# Altium PCB Copy of PCB.PcbDoc (part 2 of 2)
Units mil, origin at the board's own origin, x right, y up, seen from the top; angles counter-clockwise.
Board outline 6000 x 4000 mil, 4 copper layers (Top Layer, Power, GND, Bottom Layer), stack 23.756 mil thick; 200 components, 157 nets, 775 pads, 9 vias.
Unrouted connection lines stored in the file: 537.
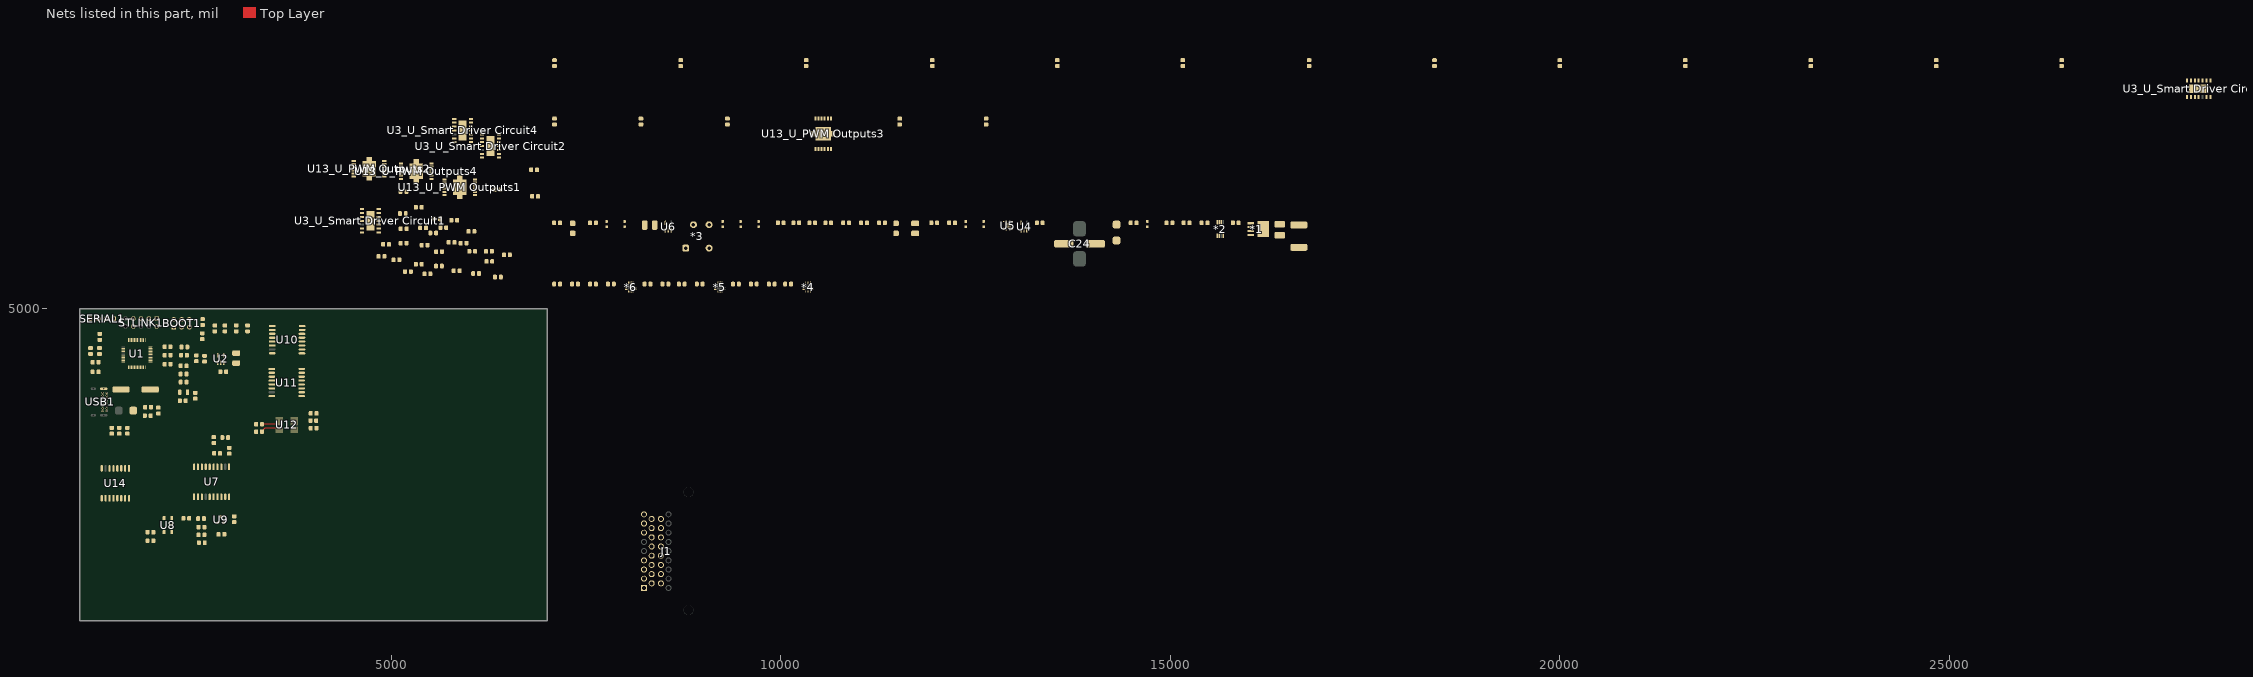
[diagram p4: the nets of this part, all layers, seen from the top]

## Part data (continued)
C11 C29: library part GRM32ER71E226KE15L, Digikey Part Number=490-5313-2-ND, Manufacturer="Murata Electronics", Rated Voltage=25V, Temperature Rating=X7R, Tolerance=±10%, Material=MLCC, Part Number=GRM32ER71E226KE15L
"C14_U_Smart Driver Circuit1" "C14_U_Smart Driver Circuit2" "C14_U_Smart Driver Circuit3" "C14_U_Smart Driver Circuit4" "C15_U_Smart Driver Circuit1" "C15_U_Smart Driver Circuit2" "C15_U_Smart Driver Circuit3" "C15_U_Smart Driver Circuit4" C23 C47 C48 C49 C50: library part GCM2165C1H101JA16D, Digikey Part Number=490-8031-1-ND, Manufacturer=muRata, Rated Voltage=50V, Temperature Rating="C0G, NP0", Tolerance=±5%, Material=MLCC, Part Number=GCM2165C1H101JA16D
"C16_U_Smart Driver Circuit1" "C16_U_Smart Driver Circuit2" "C16_U_Smart Driver Circuit3" "C16_U_Smart Driver Circuit4" "C17_U_Smart Driver Circuit1" "C17_U_Smart Driver Circuit2" "C17_U_Smart Driver Circuit3" "C17_U_Smart Driver Circuit4" C41 C43 C45 C46: library part GCM2195C1H103JA16D, Digikey Part Number=490-4783-1-ND, Manufacturer=muRata, Rated Voltage=50V, Temperature Rating="C0G, NP0", Tolerance=±5%, Material=MLCC, Part Number=GCM2195C1H103JA16D
C18 C32: library part GRM21BR71E225KE11L, Digikey Part Number=490-14467-2-ND, Manufacturer="Murata Electronics", Rated Voltage=25V, Temperature Rating=X7R, Tolerance=±10%, Material=MLCC, Part Number=GRM21BR71E225KE11L
C19 C20 "C60_U_PWM Outputs1" "C60_U_PWM Outputs2" "C60_U_PWM Outputs3" "C60_U_PWM Outputs4": library part GRM21BR6YA106KE43L, Digikey Part Number=490-10514-6-ND, Manufacturer=muRata, Rated Voltage=50V, Temperature Rating=X5R, Tolerance=10%, Material=MLCC, Part Number=GRM21BR6YA106KE43L
C22 C25 C27 C34 C37: library part GCM188L81H104KA57D, Digikey Part Number=490-6049-1-ND, Manufacturer=muRata, Rated Voltage=50V, Temperature Rating=X8L, Tolerance=±10%, Material=MLCC, Part Number=GCM188L81H104KA57D
C24: library part MAL214699106E3, Digikey Part Number=4440PHCT-ND, Manufacturer=Vishay, Rated Voltage=50V, Temperature Rating=125C, Tolerance=20%, Material="Aluminium Electrolytic", Part Number=MAL214699106E3
C30 C35: library part GRM31CR71H475KA12K, Digikey Part Number=490-GRM31CR71H475KA12KTR-ND, Manufacturer="Murata Electronics", Rated Voltage=50V, Temperature Rating=X7R, Tolerance=±10%, Material=MLCC, Part Number=GRM31CR71H475KA12K
C33: library part GCM2195C1H682JA16D, Digikey Part Number=490-4974-1-ND, Manufacturer=muRata, Rated Voltage=50V, Temperature Rating="C0G, NP0", Tolerance=±5%, Material=MLCC, Part Number=GCM2195C1H682JA16D
"C66_U_PWM Outputs1" "C66_U_PWM Outputs2" "C66_U_PWM Outputs3" "C66_U_PWM Outputs4" "C67_U_PWM Outputs1" "C67_U_PWM Outputs2" "C67_U_PWM Outputs3" "C67_U_PWM Outputs4": library part GCM21B5C1H223JA16L, Digikey Part Number=490-5318-1-ND, Manufacturer=muRata, Rated Voltage=50V, Temperature Rating="C0G, NP0", Tolerance=±5%, Material=MLCC, Part Number=GCM21B5C1H223JA16L
"CAN RX INDC1" "CAN TX INDC1": library part SML-MN2BCTT86C, "LED BLUE CLEAR 2012 SMD", Colour=Blue, Digikey Part Number=846-1207-1-ND, Manufacturer="ROHM Semiconductor", Digikey Link=https://www.digikey.com/product-detail/en/rohm-semiconductor/SMLMN2BCTT86C/846-1207-1-ND/6057239, Part Number=SML-MN2BCTT86C
D1 D2: library part SML-210LTT86, "Red LED Indication - Discrete 1.75V 0805 (2012 Metric)", Colour=Red, Digikey Part Number=511-1286-1-ND, Manufacturer="ROHM Semiconductor", Digikey Link=https://www.digikey.com/product-detail/en/rohm-semiconductor/SML-210LTT86/511-1286-1-ND/637099, Part Number=SML-210LTT86
D3: Breakdown Voltage="600 V", Digikey Part Number=1655-1530-2-ND, Forward Voltage="1.2 V", Manufacturer="SMC Diode Solutions", Part Number=SD560BTR
D4: Breakdown Voltage="30.8 V", Digikey Part Number=497-10804-1-ND, Manufacturer=STMicroelectronics, Rated Power=600W, Forward Voltage="30.8 V", Part Number=SM6T36CAY
D5 D6 D7: library part SML-210LTT86, "Red LED Indication - Discrete 1.75V 0805 (2012 Metric)", Digikey Part Number=511-1286-1-ND, Manufacturer="ROHM Semiconductor", Colour=Red, Part Number=SML-210LTT86
F1: "PTC RESET FUSE 60V 1A 292", Digikey Part Number=507-2070-1-ND, Manufacturer="Littelfuse Inc.", Digikey Link=https://www.digikey.com/product-detail/en/bel-fuse-inc/0ZCF0100AF2A/507-2070-1-ND/6210547, Part Number=0ZCF0100AF2A
J1: library part 6437288-1, "34 Position 4 Row Right Angle Receptacle Through Hole Super Seal Cap Assy", Digikey Part Number=A124384-ND, Package=None, Angle=90, Availability=Unavailable, Contact=Gold, Digikey Link=https://www.digikey.com.au/en/products/detail/te-connectivity-amp-connectors/6437288-1/5428601?s=N4IgTCBcDaIGwBYDMB2MAOdBaAjCAugL5A, MF="TE Connectivity", MP=6437288-1, Part Number=6437288-1, Pitch="3.0 mm", Positions=34, Price=None, SnapEDA_Link=https://www.snapeda.com/parts/6437288-1/TE%20Connectivity%20AMP%20Connectors/view-part/1468495/?ref=snap
L1: library part RLS-126, Digikey Part Number=945-3429-ND, Manufacturer=Recom, Rated Current="0.8 A", Tolerance=0.2, Impedance=230mOhm, Material=Wirewound, Part Number=RLS-126
L2: library part 82473C, Digikey Part Number=811-2477-2-ND, Manufacturer="Murata Power Solutions Inc.", Rated Current=250mA, Tolerance=0.1, Impedance="1.69 Ohms", Material=Wirewound, Part Number=82473C
R1 R8 "R19_U_Smart Driver Circuit1" "R19_U_Smart Driver Circuit2" "R19_U_Smart Driver Circuit3" "R19_U_Smart Driver Circuit4" "R20_U_Smart Driver Circuit1" "R20_U_Smart Driver Circuit2" "R20_U_Smart Driver Circuit3" "R20_U_Smart Driver Circuit4" "R22_U_Smart Driver Circuit1" "R22_U_Smart Driver Circuit2" "R22_U_Smart Driver Circuit3" "R22_U_Smart Driver Circuit4": library part RC0805FR0710KL, Digikey Part Number=311-10.0KCRCT-ND, Manufacturer=YAGEO, Rated Power=0.125W, Tolerance=0.01, Material=FR-07, Part Number=RC0805FR0710KL
R2 R3: library part RC0805FR07510RL, Digikey Part Number=311-510CRCT-ND, Manufacturer=YAGEO, Rated Voltage=0.125W, Tolerance=0.01, Material=FR-07, Part Number=RC0805FR07510RL
R4 R5: library part RC0805FR07680RL, Digikey Part Number=311-680CRCT-ND, Manufacturer=YAGEO, Rated Voltage=0.125W, Tolerance=0.01, Material=FR-07, Part Number=RC0805FR07680RL
R6: library part CMP-037-000418-3, Digikey Part Number=BC2733CT-ND, Rated Voltage=210mW, Tolerance=0.01
R7: library part RC0805FR0710KL, Digikey Part Number=311-10.0KCRCT-ND, Manufacturer=YAGEO, Rated Voltage=0.125W, Tolerance=0.01, Material=FR-07, Part Number=RC0805FR0710KL
R9: library part RC0805FR071K5L, Digikey Part Number=311-1.50KCRCT-ND, Manufacturer=YAGEO, Rated Power=0.125W, Tolerance=0.01, Material=FR-07, Part Number=RC0805FR071K5L
R10 R11: library part RC0805FR0720KL, Digikey Part Number=311-20.0KCRCT-ND, Manufacturer=YAGEO, Rated Power=0.125W, Tolerance=0.01, Material=FR-07, Part Number=RC0805FR0720KL
R12 R13: library part RC0805FR075K1L, Digikey Part Number=311-5.10KCRCT-ND, Manufacturer=YAGEO, Rated Power=0.125W, Tolerance=0.01, Material=FR-07, Part Number=RC0805FR075K1L
R14: library part RC0805FR0710ML, Digikey Part Number=311-10.0MCRCT-ND, Manufacturer=YAGEO, Rated Power=0.125W, Tolerance=0.01, Material=FR-07, Part Number=RC0805FR0710ML
"R15_U_Smart Driver Circuit1" "R15_U_Smart Driver Circuit2" "R15_U_Smart Driver Circuit3" "R15_U_Smart Driver Circuit4" "R16_U_Smart Driver Circuit1" "R16_U_Smart Driver Circuit2" "R16_U_Smart Driver Circuit3" "R16_U_Smart Driver Circuit4": library part RC0805FR074K7L, Digikey Part Number=311-4.70KCRCT-ND, Manufacturer=YAGEO, Rated Power=0.125W, Tolerance=0.01, Material=FR-07, Part Number=RC0805FR074K7L
"R17_U_Smart Driver Circuit1" "R17_U_Smart Driver Circuit2" "R17_U_Smart Driver Circuit3" "R17_U_Smart Driver Circuit4" "R18_U_Smart Driver Circuit1" "R18_U_Smart Driver Circuit2" "R18_U_Smart Driver Circuit3" "R18_U_Smart Driver Circuit4": library part RC0805FR071K8L, Digikey Part Number=311-1.80KCRCT-ND, Manufacturer=YAGEO, Rated Power=0.125W, Tolerance=0.01, Material=FR-07, Part Number=RC0805FR071K8L
"R21_U_Smart Driver Circuit1" "R21_U_Smart Driver Circuit2" "R21_U_Smart Driver Circuit3" "R21_U_Smart Driver Circuit4" "R23_U_Smart Driver Circuit1" "R23_U_Smart Driver Circuit2" "R23_U_Smart Driver Circuit3" "R23_U_Smart Driver Circuit4": library part RC0805FR0747KL, Digikey Part Number=311-47.0KCRCT-ND, Manufacturer=YAGEO, Rated Power=0.125W, Tolerance=0.01, Material=FR-07, Part Number=RC0805FR0747KL
R24 R29: library part RC0805FR070RL, Digikey Part Number=311-0.0CRCT-ND, Manufacturer=YAGEO, Rated Power=0.125W, Tolerance=0.01, Material=FR-07, Part Number=RC0805FR070RL
R25: library part RC0805FR0715KL, Digikey Part Number=311-15.0KCRCT-ND, Manufacturer=YAGEO, Rated Power=0.125W, Tolerance=0.01, Material=FR-07, Part Number=RC0805FR0715KL
R26: library part RC0603FR-0720KL, Digikey Part Number=311-20.0KHRCT-ND, Manufacturer=YAGEO, Rated Power=0.1W, Tolerance=0.01, Part Number=RC0603FR-0720KL
R27 R28: library part RC0603FR-072KL, Digikey Part Number=311-2.00KHRCT-ND, Manufacturer=YAGEO, Rated Power=0.1W, Tolerance=0.01, Part Number=RC0603FR-072KL
R30 R31 R32 "R39_U_PWM Outputs1" "R39_U_PWM Outputs2" "R39_U_PWM Outputs3" "R39_U_PWM Outputs4": library part RC0805FR07100KL, Digikey Part Number=311-100KCRCT-ND, Manufacturer=YAGEO, Rated Power=0.125W, Tolerance=0.01, Material=FR-07, Part Number=RC0805FR07100KL
R33 R35 R36 R37 R38: library part RC0805FR0720RL, Digikey Part Number=311-20.0CRCT-ND, Manufacturer=YAGEO, Rated Power=0.125W, Tolerance=0.01, Material=FR-07, Part Number=RC0805FR0720RL
SERIAL1: library part "TH 2.54mm Header 1x4", Angle=0, Contact=NA, Flange=No, Part Number="TH 2.54mm Header 1x4", Pitch=2.54mm, Positions=4, Row Spacing=2.54mm
STLINK1: library part "TH 2.54mm Header 2x5", Angle=0, Contact=NA, Flange=No, Part Number="TH 2.54mm Header 2x5", Pitch=2.54mm, Positions=10, Row Spacing=2.54mm
U1: library part STM32F103C8T6, "ARM® Cortex®-M3 STM32F1 Microcontroller IC 32-Bit 72MHz 64KB (64K x 8) FLASH", Digikey Part Number=497-6063-ND, Manufacturer=STMicroelectronics, Digikey Link=https://www.digikey.com/product-detail/en/stmicroelectronics/STM32F103C8T6/497-6063-ND/1646338, Part Number=STM32F103C8T6
U2: library part RT9193-33GB, "IC REG LINEAR 3.3V 300MA SOT23-5", Digikey Part Number=1028-1014-1-ND, Manufacturer=Richtek, Digikey Link=https://www.digikey.com/products/en?keywords=1028-1014-1-ND, Part Number=RT9193-33GB
"U3_U_Smart Driver Circuit1" "U3_U_Smart Driver Circuit2" "U3_U_Smart Driver Circuit3" "U3_U_Smart Driver Circuit4": library part BTF60702ERVXUMA1, "Smart High-Side Power Switch, Dual Channel", Digikey Part Number=448-BTF60702ERVXUMA1TR-ND, Manufacturer="Infineon Technologies", Digikey Link=https://www.digikey.com.au/en/products/detail/infineon-technologies/BTF60702ERVXUMA1/10379692, ManufacturerPartNumber=BTF6070-2ERV, PackageReference=PG-TDSO-14-21, Part Number=BTF60702ERVXUMA1
U4 U6: "IC REG LINEAR 3.3V 200MA SOT23-5", Digikey Part Number=296-27780-1-ND, Input Voltage="2 to 5.5 V", Manufacturer="Texas Instruments", Output Current="0.2 A", Output Voltage="3.3 V", Part Number=TLV70033-Q1
U5: "DC DC CONVERTER 5V", Digikey Part Number=175-MAXM17631AME+TTR-ND, Input Voltage="4.5 to 36 V", Manufacturer="Analog Devices", Mfr_Name="Analog Devices Inc", Output Current="1.0 A", Output Voltage=5V, Digi-Key_Part_Number_1=175-MAXM17631AME+TTR-ND, Part Number=MAXM17631AME+T, RefDes=RefDes, Type=Type
U7: library part ADM3053, "Isolated CAN Transceiver", Digikey Part Number=ADM3053BRWZ-ND, Manufacturer="Analogue Devices", Digikey Link=https://www.digikey.com/product-detail/en/analog-devices-inc/ADM3053BRWZ/ADM3053BRWZ-ND/2709332, Part Number=ADM3053
U8: Digikey Part Number=495-4598-1-ND, Manufacturer="EPCOS (TDK)", Rated Current=150mA, Impedance="5.8 kOhms @ 10MHz", Material=Wirewound, Part Number=B82787C0104H002
U9: "Dual Line CAN Bus Protector", Digikey Part Number=NUP2105LT1GOSCT-ND, Manufacturer="ON Semiconductor", Digikey Link=https://www.digikey.com/product-detail/en/on-semiconductor/NUP2105LT1G/NUP2105LT1GOSCT-ND/1485001, Part Number=NUP2105L
U10 U11 U14: "General Purpose Digital Isolator 2500Vrms 4 Channel 1Mbps 25kV/µs CMTI 16-SOIC (0.295\", 7.50mm Width)", Digikey Part Number=ADUM1400WSRWZ-ND, Manufacturer="Analog Devices", Digikey Link=https://www.digikey.com/product-detail/en/analog-devices-inc/ADUM1400WSRWZ/ADUM1400WSRWZ-ND/1873713, Part Number=ADuM1400
U12: library part ADUM7441ARQZ-RL7, "DGTL ISO 1000VRMS 4CH GP 16QSOP", Digikey Part Number=ADUM7441ARQZ-RL7TR-ND, Manufacturer="Analog Devices", Digikey Link=https://www.digikey.com.au/en/products/detail/analog-devices-inc/ADUM7441ARQZ-RL7/2261109?s=N4IgTCBcDaIIIBECqBZA7AFgwRjgJQEUAtAWjwBk0QBdAXyA, Part Number=ADUM7441ARQZ-RL7
"U13_U_PWM Outputs1" "U13_U_PWM Outputs2" "U13_U_PWM Outputs3" "U13_U_PWM Outputs4": "IC HALF BRIDGE DRIVER 6A 12DSO", Digikey Part Number=IFX9201SGAUMA1TR-ND, Package="BSOP-12 Infineon", Availability="In Stock", Check_prices=https://www.snapeda.com/parts/IFX9201SGAUMA1/Infineon+Technologies/view-part/?ref=eda, Digikey Link=https://www.digikey.com.au/en/products/detail/infineon-technologies/IFX9201SGAUMA1/5415542, MF="Infineon Technologies", MP=IFX9201SGAUMA1, Part Number=IFX9201SGAUMA1, Price=None, Purchase-URL=https://pricing.snapeda.com/search/part/IFX9201SGAUMA1/?ref=eda, SnapEDA_Link=https://www.snapeda.com/parts/IFX9201SGAUMA1/Infineon+Technologies/view-part/?ref=snap
USB1: library part USB4085-GF-A, "USB - C (Type - C) USB 2.0 Receptacle Connector 16 Position Through Hole, Right Angle", Digikey Part Number=2073-USB4085-GF-ACT-ND, Angle=90, Digikey Link=https://www.digikey.ee/product-detail/en/gct/USB4085-GF-A/2073-USB4085-GF-ACT-ND/9859733, Part Number=USB4085-GF-A
X1: library part ABLS-8.000MHZ-B4-T, Digikey Part Number=535-10212-2-ND, Load Capacitance=18pF, Manufacturer="Abracon LLC", Digikey Link=https://www.digikey.com/product-detail/en/abracon-llc/ABLS-8.000MHZ-B4-T/535-10212-2-ND/2184155, ESR=80R, Part Number=ABLS-8.000MHZ-B4-T
X2: library part "FC-135 32.7680KA-A5", Digikey Part Number=SER4103TR-ND, Load Capacitance=12.5pF, Manufacturer=EPSON, Digikey Link=https://www.digikey.com/product-detail/en/epson/FC-135-32.7680KA-A5/SER4103TR-ND/5259895, ESR=70k, Part Number="FC-135 32.7680KA-A5"

## Via types
v1: diameter 10, hole 5, Top Layer to Bottom Layer, tented bottom, 9 vias

## Nets (pads, with @x,y where several pads share a name; then routed paths per layer and width w, separated by ;. In a path a pad name is that pad's centre, name@x,y a point inside that pad or via, vN(x,y) a via of type N, cw(c..) or ccw(c..) an arc to the next point about the centre after c; other vN are vias at no path point)
"0V (ISO)": *3.7 BOOT1.5 BOOT1.6 C1.1 C2.1 C3.1 C4.1 C5.1 C6.1 C7.1 C8.1 C9.1 C10.1 C11.1 C25.1 C26.1 C27.1 C28.1 C34.1 C35.1 C36.1 C37.1 C38.1 C39.1 C41.1 C42.1 C43.1 R2.1 R4.1 R5.1 R6.1 R12.2 R13.2 R28.1 SERIAL1.4 STLINK1.1 U1.8 U1.23 U1.35 U1.47 U2.2 U4.2 U6.2 U7.1 U7.3 U7.7 U7.9 U7.10 U12.2 U12.8 USB1.A1 USB1.A12 USB1.B1 USB1.B12 USB1.P1
3.3V: C25.2 C28.2 U4.5
"3.3V (ISO)": BOOT1.1 BOOT1.2 C2.2 C3.2 C4.2 C5.2 C6.2 C7.2 C34.2 C38.2 D1.A D2.A R1.2 SERIAL1.1 STLINK1.7 STLINK1.8 U1.1 U1.9 U1.24 U1.36 U1.48 U2.5 U6.5 U10.1 U11.1 U12.1 U12.7 U14.1
5V: "R39_U_PWM Outputs1.2" "R39_U_PWM Outputs2.2" "R39_U_PWM Outputs3.2" "R39_U_PWM Outputs4.2" "U13_U_PWM Outputs1.2" "U13_U_PWM Outputs2.2" "U13_U_PWM Outputs3.2" "U13_U_PWM Outputs4.2" *3.4 *4.7 *4.10 *5.7 *5.10 *6.7 *6.10 C26.2 C27.2 C29.2 C51.2 C52.2 C54.2 C55.2 C57.2 C58.2 D6.A R30.2 R31.2 R32.2 U4.1 U4.3 U5.4 U5.5 U5.6 U10.10 U10.16 U11.10 U11.16 U12.10 U12.16 U14.10 U14.16
"5V (ISO)": C10.2 C35.2 C36.2 C37.2 C39.2 C41.2 C42.2 C43.2 D3.K D7.A L2.1 R9.1 U2.1 U2.3 U6.1 U6.3 U7.6 U7.8
24V: C20.2 C21.2 C30.2 D5.A L1.1 U5.14 U5.15
"24V PWR": "U3_U_Smart Driver Circuit1.15" "U3_U_Smart Driver Circuit2.15" "U3_U_Smart Driver Circuit3.15" "U3_U_Smart Driver Circuit4.15" *1.5 *2.8 C24.2 F1.1
"ADC CS (NON ISO)": *6.11 R32.1 U1.21 U10.3 U10.14
BOOT0: BOOT1.3 R8.1
BOOT1: BOOT1.4 R7.2
"CAN RX INDC": "CAN RX INDC1.A" U1.19
"CAN TX INDC": "CAN TX INDC1.A" U1.18
CAN_H: C47.2 J1.7 U8.2
CAN_L: C48.2 J1.8 U8.1
CANS: C40.1 C44.1 C45.1 C46.1 C47.1 C48.1 C49.1 C50.1 J1.9 R29.1 U7.11 U7.13 U7.16 U7.20 U9.3
"CURRENT SENSE CH1": "C15_U_Smart Driver Circuit4.2" "R15_U_Smart Driver Circuit4.1" *6.15
"CURRENT SENSE CH2": "C14_U_Smart Driver Circuit4.2" "R16_U_Smart Driver Circuit4.2" *6.16
"CURRENT SENSE CH3": "C15_U_Smart Driver Circuit3.2" "R15_U_Smart Driver Circuit3.1" *6.1
"CURRENT SENSE CH4": "C14_U_Smart Driver Circuit3.2" "R16_U_Smart Driver Circuit3.2" *6.2
"CURRENT SENSE CH5": "C15_U_Smart Driver Circuit2.2" "R15_U_Smart Driver Circuit2.1" *6.3
"CURRENT SENSE CH6": "C14_U_Smart Driver Circuit2.2" "R16_U_Smart Driver Circuit2.2" *6.4
"CURRENT SENSE CH7": "C15_U_Smart Driver Circuit1.2" "R15_U_Smart Driver Circuit1.1" *6.5
"CURRENT SENSE CH8": "C14_U_Smart Driver Circuit1.2" "R16_U_Smart Driver Circuit1.2" *6.6
"DIAGNOSTIC EN A": "R19_U_Smart Driver Circuit4.1" *4.15
"DIAGNOSTIC EN B": "R19_U_Smart Driver Circuit3.1" *4.16
"DIAGNOSTIC EN C": "R19_U_Smart Driver Circuit2.1" *4.1
"DIAGNOSTIC EN D": "R19_U_Smart Driver Circuit1.1" *4.2
GLV+: J1.1 J1.2
GLV-: *3.1 C19.1 C20.1 C21.1 C22.1 C23.1 C24.1 C29.1 C30.1 D4.K J1.3 J1.4 J1.18 J1.19 J1.20 J1.21 R24.1 R26.1 R27.1 U5.16 U5.17
  other v1: 12895.32,6050.31 12915,6050.31 12934.68,6050.31 12895.32,6070 12915,6070 12934.68,6070 12895.32,6089.69 12915,6089.69 12934.68,6089.69
GND: "C14_U_Smart Driver Circuit1.1" "C14_U_Smart Driver Circuit2.1" "C14_U_Smart Driver Circuit3.1" "C14_U_Smart Driver Circuit4.1" "C15_U_Smart Driver Circuit1.1" "C15_U_Smart Driver Circuit2.1" "C15_U_Smart Driver Circuit3.1" "C15_U_Smart Driver Circuit4.1" "C16_U_Smart Driver Circuit1.1" "C16_U_Smart Driver Circuit2.1" "C16_U_Smart Driver Circuit3.1" "C16_U_Smart Driver Circuit4.1" "C17_U_Smart Driver Circuit1.1" "C17_U_Smart Driver Circuit2.1" "C17_U_Smart Driver Circuit3.1" "C17_U_Smart Driver Circuit4.1" "C60_U_PWM Outputs1.1" "C60_U_PWM Outputs2.1" "C60_U_PWM Outputs3.1" "C60_U_PWM Outputs4.1" "C65_U_PWM Outputs1.1" "C65_U_PWM Outputs2.1" "C65_U_PWM Outputs3.1" "C65_U_PWM Outputs4.1" "C66_U_PWM Outputs1.1" "C66_U_PWM Outputs2.1" "C66_U_PWM Outputs3.1" "C66_U_PWM Outputs4.1" "C67_U_PWM Outputs1.1" "C67_U_PWM Outputs2.1" "C67_U_PWM Outputs3.1" "C67_U_PWM Outputs4.1" "R17_U_Smart Driver Circuit1.1" "R17_U_Smart Driver Circuit2.1" "R17_U_Smart Driver Circuit3.1" "R17_U_Smart Driver Circuit4.1" "R18_U_Smart Driver Circuit1.1" "R18_U_Smart Driver Circuit2.1" "R18_U_Smart Driver Circuit3.1" "R18_U_Smart Driver Circuit4.1" "R21_U_Smart Driver Circuit1.1" "R21_U_Smart Driver Circuit2.1" "R21_U_Smart Driver Circuit3.1" "R21_U_Smart Driver Circuit4.1" "R23_U_Smart Driver Circuit1.1" "R23_U_Smart Driver Circuit2.1" "R23_U_Smart Driver Circuit3.1" "R23_U_Smart Driver Circuit4.1" "U3_U_Smart Driver Circuit1.1" "U3_U_Smart Driver Circuit1.11" "U3_U_Smart Driver Circuit2.1" "U3_U_Smart Driver Circuit2.11" "U3_U_Smart Driver Circuit3.1" "U3_U_Smart Driver Circuit3.11" "U3_U_Smart Driver Circuit4.1" "U3_U_Smart Driver Circuit4.11" "U13_U_PWM Outputs1.6" "U13_U_PWM Outputs1.11" "U13_U_PWM Outputs1.13" "U13_U_PWM Outputs1.13.1" "U13_U_PWM Outputs1.13.2" "U13_U_PWM Outputs2.6" "U13_U_PWM Outputs2.11" "U13_U_PWM Outputs2.13" "U13_U_PWM Outputs2.13.1" "U13_U_PWM Outputs2.13.2" "U13_U_PWM Outputs3.6" "U13_U_PWM Outputs3.11" "U13_U_PWM Outputs3.13" "U13_U_PWM Outputs3.13.1" "U13_U_PWM Outputs3.13.2" "U13_U_PWM Outputs4.6" "U13_U_PWM Outputs4.11" "U13_U_PWM Outputs4.13" "U13_U_PWM Outputs4.13.1" "U13_U_PWM Outputs4.13.2" *4.9 *5.9 *6.9 C51.1 C52.1 C53.1 C54.1 C55.1 C56.1 C57.1 C58.1 C59.1 U10.2 U10.8 U10.9 U10.15 U11.2 U11.8 U11.9 U11.15 U12.9 U12.15 U14.2 U14.8 U14.9 U14.15
"H Bridge A CS": "R39_U_PWM Outputs4.1" "U13_U_PWM Outputs4.9" U1.27 U11.3 U11.14
"H Bridge A Direction": "U13_U_PWM Outputs4.1" *4.3
"H Bridge A OUT1": "C66_U_PWM Outputs4.2" "U13_U_PWM Outputs4.5" J1.14
"H Bridge A OUT2": "C67_U_PWM Outputs4.2" "U13_U_PWM Outputs4.7" J1.22
"H Bridge A Power": "C16_U_Smart Driver Circuit2.2" "C60_U_PWM Outputs4.2" "C65_U_PWM Outputs4.2" "R21_U_Smart Driver Circuit2.2" "U3_U_Smart Driver Circuit2.12" "U3_U_Smart Driver Circuit2.13" "U3_U_Smart Driver Circuit2.14" "U13_U_PWM Outputs4.4"
"H Bridge B CS": "R39_U_PWM Outputs3.1" "U13_U_PWM Outputs3.9" U1.28 U11.4 U11.13
"H Bridge B Direction": "U13_U_PWM Outputs3.1" *4.4
"H Bridge B OUT1": "C66_U_PWM Outputs3.2" "U13_U_PWM Outputs3.5" J1.15
"H Bridge B OUT2": "C67_U_PWM Outputs3.2" "U13_U_PWM Outputs3.7" J1.23
"H Bridge B Power": "C17_U_Smart Driver Circuit2.2" "C60_U_PWM Outputs3.2" "C65_U_PWM Outputs3.2" "R23_U_Smart Driver Circuit2.2" "U3_U_Smart Driver Circuit2.8" "U3_U_Smart Driver Circuit2.9" "U3_U_Smart Driver Circuit2.10" "U13_U_PWM Outputs3.4"
"H Bridge C CS": "R39_U_PWM Outputs2.1" "U13_U_PWM Outputs2.9" U1.15 U11.5 U11.12
"H Bridge C Direction": "U13_U_PWM Outputs2.1" *4.5
"H Bridge C OUT1": "C66_U_PWM Outputs2.2" "U13_U_PWM Outputs2.5" J1.16
"H Bridge C OUT2": "C67_U_PWM Outputs2.2" "U13_U_PWM Outputs2.7" J1.24
"H Bridge C Power": "C16_U_Smart Driver Circuit1.2" "C60_U_PWM Outputs2.2" "C65_U_PWM Outputs2.2" "R21_U_Smart Driver Circuit1.2" "U3_U_Smart Driver Circuit1.12" "U3_U_Smart Driver Circuit1.13" "U3_U_Smart Driver Circuit1.14" "U13_U_PWM Outputs2.4"
"H Bridge D CS": "R39_U_PWM Outputs1.1" "U13_U_PWM Outputs1.9" U1.16 U11.6 U11.11
"H Bridge D Direction": "U13_U_PWM Outputs1.1" *4.6
"H Bridge D OUT1": "C66_U_PWM Outputs1.2" "U13_U_PWM Outputs1.5" J1.17
"H Bridge D OUT2": "C67_U_PWM Outputs1.2" "U13_U_PWM Outputs1.7" J1.25
"H Bridge D Power": "C17_U_Smart Driver Circuit1.2" "C60_U_PWM Outputs1.2" "C65_U_PWM Outputs1.2" "R23_U_Smart Driver Circuit1.2" "U3_U_Smart Driver Circuit1.8" "U3_U_Smart Driver Circuit1.9" "U3_U_Smart Driver Circuit1.10" "U13_U_PWM Outputs1.4"
MISO: "U13_U_PWM Outputs1.3" "U13_U_PWM Outputs2.3" "U13_U_PWM Outputs3.3" "U13_U_PWM Outputs4.3" *4.12 *5.12 *6.12 R38.2
"MISO (ISO)": R37.1 U1.40
MOSI: "U13_U_PWM Outputs1.8" "U13_U_PWM Outputs2.8" "U13_U_PWM Outputs3.8" "U13_U_PWM Outputs4.8" *4.14 *5.14 *6.14 R33.1
"MOSI (ISO)": U1.41
Net*1_1: *1.1 *1.2 *1.3 *2.4 C23.2 D4.A
Net*1_4: *1.4 *2.2 *2.6
Net*2_1: *2.1 C18.1
Net*2_7: *2.7 C18.2
Net*3_5: *3.5 L2.2
Net*4_8: *4.8 C53.2
Net*5_8: *5.8 C56.2
Net*6_8: *6.8 C59.2
NetC11_2: C11.2 U2.4
NetC12_1: C12.1 C13.2
NetC19_2: C19.2 C22.2 F1.2 L1.2
NetC31_1: C31.1 U5.1
NetC31_2: C31.2 U5.2
NetC32_2: C32.2 U5.13
NetC33_1: C33.1 U5.10
NetC40_2: C40.2 C44.2 C45.2 C46.2 U7.12 U7.19
NetC49_2: C49.2 U7.15 U8.4 U9.1
NetC50_2: C50.2 U7.17 U8.3 U9.2
"NetCAN RX INDC1_K": "CAN RX INDC1.K" R5.2
"NetCAN TX INDC1_K": "CAN TX INDC1.K" R4.2
NetD1_K: D1.K R2.2
NetD2_K: D2.K R3.2
NetD5_K: D5.K R26.2
NetD6_K: D6.K R27.2
NetD7_K: D7.K R28.2
NetR7_1: R7.1 U1.20
NetR8_2: R8.2 U1.44
NetR10_1: R10.1 USB1.A6 USB1.B6
NetR11_1: R11.1 USB1.A7 USB1.B7
NetR12_1: R12.1 USB1.A5
NetR13_1: R13.1 USB1.B5
"NetR15_U_Smart Driver Circuit1_2": "R15_U_Smart Driver Circuit1.2" "R17_U_Smart Driver Circuit1.2" "U3_U_Smart Driver Circuit1.4"
"NetR15_U_Smart Driver Circuit2_2": "R15_U_Smart Driver Circuit2.2" "R17_U_Smart Driver Circuit2.2" "U3_U_Smart Driver Circuit2.4"
"NetR15_U_Smart Driver Circuit3_2": "R15_U_Smart Driver Circuit3.2" "R17_U_Smart Driver Circuit3.2" "U3_U_Smart Driver Circuit3.4"
"NetR15_U_Smart Driver Circuit4_2": "R15_U_Smart Driver Circuit4.2" "R17_U_Smart Driver Circuit4.2" "U3_U_Smart Driver Circuit4.4"
"NetR16_U_Smart Driver Circuit1_1": "R16_U_Smart Driver Circuit1.1" "R18_U_Smart Driver Circuit1.2" "U3_U_Smart Driver Circuit1.7"
"NetR16_U_Smart Driver Circuit2_1": "R16_U_Smart Driver Circuit2.1" "R18_U_Smart Driver Circuit2.2" "U3_U_Smart Driver Circuit2.7"
"NetR16_U_Smart Driver Circuit3_1": "R16_U_Smart Driver Circuit3.1" "R18_U_Smart Driver Circuit3.2" "U3_U_Smart Driver Circuit3.7"
"NetR16_U_Smart Driver Circuit4_1": "R16_U_Smart Driver Circuit4.1" "R18_U_Smart Driver Circuit4.2" "U3_U_Smart Driver Circuit4.7"
"NetR19_U_Smart Driver Circuit1_2": "R19_U_Smart Driver Circuit1.2" "U3_U_Smart Driver Circuit1.3"
"NetR19_U_Smart Driver Circuit2_2": "R19_U_Smart Driver Circuit2.2" "U3_U_Smart Driver Circuit2.3"
"NetR19_U_Smart Driver Circuit3_2": "R19_U_Smart Driver Circuit3.2" "U3_U_Smart Driver Circuit3.3"
"NetR19_U_Smart Driver Circuit4_2": "R19_U_Smart Driver Circuit4.2" "U3_U_Smart Driver Circuit4.3"
"NetR20_U_Smart Driver Circuit1_2": "R20_U_Smart Driver Circuit1.2" "U3_U_Smart Driver Circuit1.2"
"NetR20_U_Smart Driver Circuit2_2": "R20_U_Smart Driver Circuit2.2" "U3_U_Smart Driver Circuit2.2"
"NetR20_U_Smart Driver Circuit3_2": "R20_U_Smart Driver Circuit3.2" "U3_U_Smart Driver Circuit3.2"
"NetR20_U_Smart Driver Circuit4_2": "R20_U_Smart Driver Circuit4.2" "U3_U_Smart Driver Circuit4.2"
"NetR22_U_Smart Driver Circuit1_2": "R22_U_Smart Driver Circuit1.2" "U3_U_Smart Driver Circuit1.6"
"NetR22_U_Smart Driver Circuit2_2": "R22_U_Smart Driver Circuit2.2" "U3_U_Smart Driver Circuit2.6"
"NetR22_U_Smart Driver Circuit3_2": "R22_U_Smart Driver Circuit3.2" "U3_U_Smart Driver Circuit3.6"
"NetR22_U_Smart Driver Circuit4_2": "R22_U_Smart Driver Circuit4.2" "U3_U_Smart Driver Circuit4.6"
NetR25_2: R25.2 U5.9
NetR29_2: R29.2 U7.18
NetR33_2: R33.2 U12.14
NetR34_1: U12.3
NetR35_2: R35.2 U12.4 | length 223.1
  Top Layer w10: R35.2@3341.93,3518.97 3345.56,3522.6 U12.4@3563.54,3522.6
NetR36_2: R36.2 U12.13
NetR37_2: R37.2 U12.6 | length 243.9
  Top Layer w10: R37.2@3341.93,3423.97 3341.93,3427.91 3386.22,3472.2 U12.6@3563.54,3472.2
NetR38_1: R38.1 U12.11
NetU1_11: U1.11 U14.3
NetU1_12: U1.12 U14.4
NetU1_13: U1.13 U14.5
NetU1_14: U1.14 U14.6
NetU1_26: U1.26
NetU1_45: U1.45 U7.4
NetU1_46: U1.46 U7.5
NetU10_6: U10.6
NetU10_11: U10.11
NetUSB1_A4: USB1.A4 USB1.A9 USB1.B4 USB1.B9
NRST: STLINK1.2 U1.7
PC13: R3.1 U1.2
"PCB TEMP": C1.2 R1.1 R6.2 U1.10
"PWM 1": "U13_U_PWM Outputs4.12" U14.14
"PWM 2": "U13_U_PWM Outputs3.12" U14.13
"PWM 3": "U13_U_PWM Outputs2.12" U14.12
"PWM 4": "U13_U_PWM Outputs1.12" U14.11
SCLCK: "U13_U_PWM Outputs1.10" "U13_U_PWM Outputs2.10" "U13_U_PWM Outputs3.10" "U13_U_PWM Outputs4.10" *4.13 *5.13 *6.13 R36.1
"SCLCK (ISO)": R35.1 U1.39
"SIG 0V": C32.1 C33.2 R24.2 R25.1 U5.3 U5.7 U5.8
"Smart Driver 1": "C16_U_Smart Driver Circuit4.2" "R21_U_Smart Driver Circuit4.2" "U3_U_Smart Driver Circuit4.12" "U3_U_Smart Driver Circuit4.13" "U3_U_Smart Driver Circuit4.14" J1.10
"Smart Driver 2": "C17_U_Smart Driver Circuit4.2" "R23_U_Smart Driver Circuit4.2" "U3_U_Smart Driver Circuit4.8" "U3_U_Smart Driver Circuit4.9" "U3_U_Smart Driver Circuit4.10" J1.11
"Smart Driver 3": "C16_U_Smart Driver Circuit3.2" "R21_U_Smart Driver Circuit3.2" "U3_U_Smart Driver Circuit3.12" "U3_U_Smart Driver Circuit3.13" "U3_U_Smart Driver Circuit3.14" J1.12
"Smart Driver 4": "C17_U_Smart Driver Circuit3.2" "R23_U_Smart Driver Circuit3.2" "U3_U_Smart Driver Circuit3.8" "U3_U_Smart Driver Circuit3.9" "U3_U_Smart Driver Circuit3.10" J1.13
"SMRT DRV CTRL CH1": "R20_U_Smart Driver Circuit4.1" *5.15
"SMRT DRV CTRL CH2": "R22_U_Smart Driver Circuit4.1" *5.16
"SMRT DRV CTRL CH3": "R20_U_Smart Driver Circuit3.1" *5.1
"SMRT DRV CTRL CH4": "R22_U_Smart Driver Circuit3.1" *5.2
"SMRT DRV CTRL CH5": "R20_U_Smart Driver Circuit2.1" *5.3
"SMRT DRV CTRL CH6": "R22_U_Smart Driver Circuit2.1" *5.4
"SMRT DRV CTRL CH7": "R20_U_Smart Driver Circuit1.1" *5.5
"SMRT DRV CTRL CH8": "R22_U_Smart Driver Circuit1.1" *5.6
"SMRT DRV CTRL CS (NON ISO)": *5.11 R31.1 U1.22 U10.4 U10.13
"SMRT DRV DIG CS (NON ISO)": *4.11 R30.1 U1.25 U10.5 U10.12
SWCLK: STLINK1.3 U1.37
SWDIO: STLINK1.5 U1.34
"UART RX": SERIAL1.3 U1.31
"UART TX": SERIAL1.2 U1.30
USBDM: R11.2 U1.32
USBDP: R9.2 R10.2 U1.33
XTALA: C13.1 R14.1 U1.5 X1.1
XTALB: C12.2 R14.2 U1.6 X1.2
XTALC: C8.2 U1.3 X2.1
XTALD: C9.2 U1.4 X2.2
pads on no net: "U3_U_Smart Driver Circuit1.5" "U3_U_Smart Driver Circuit2.5" "U3_U_Smart Driver Circuit3.5" "U3_U_Smart Driver Circuit4.5" *2.3 *2.5 *4.17 *5.17 *6.17 C24.0 D3.A J1. J1.5 J1.6 J1.26 J1.27 J1.28 J1.29 J1.30 J1.31 J1.32 J1.33 J1.34 STLINK1.4 STLINK1.6 STLINK1.9 STLINK1.10 U1.17 U1.29 U1.38 U1.42 U1.43 U4.4 U5.11 U5.12 U6.4 U7.2 U7.14 U10.7 U11.7 U12.5 U12.12 U14.7 USB1.A8 USB1.B8 USB1.P2 USB1.P3 USB1.P4
copper on no net: | length 4812.5
  Top Layer w10: 1034.47,2775 3600,2775 3665,2840 3665,4995

## Polygon pours and split planes (outlines as drawn)
no net on Power (split plane): 6979.9,1020.1 1020.1,1020.1 1020.1,4979.9 6979.9,4979.9
no net on GND (split plane): 6979.9,1020.1 1020.1,1020.1 1020.1,4979.9 6979.9,4979.9

## Text inside footprints (layer, text, board x,y; h text height)
U5: Top Overlay "*" at 12814.61,6127.09 h19.68; Mechanical 13 "*" at 12871.35,6104.06 h50